# Altium PCB MB1936.PcbDoc (part 9 of 13)
Units mm, origin at the board's own origin, x right, y up, seen from the top; angles counter-clockwise.
Board outline 172 x 137 mm, 6 copper layers (Top Layer, Signal Layer 1, Signal Layer 2, Signal Layer 3, Signal Layer 4, Bottom Layer), stack 1.549 mm thick; 859 components, 672 nets, 3477 pads, 2222 vias.
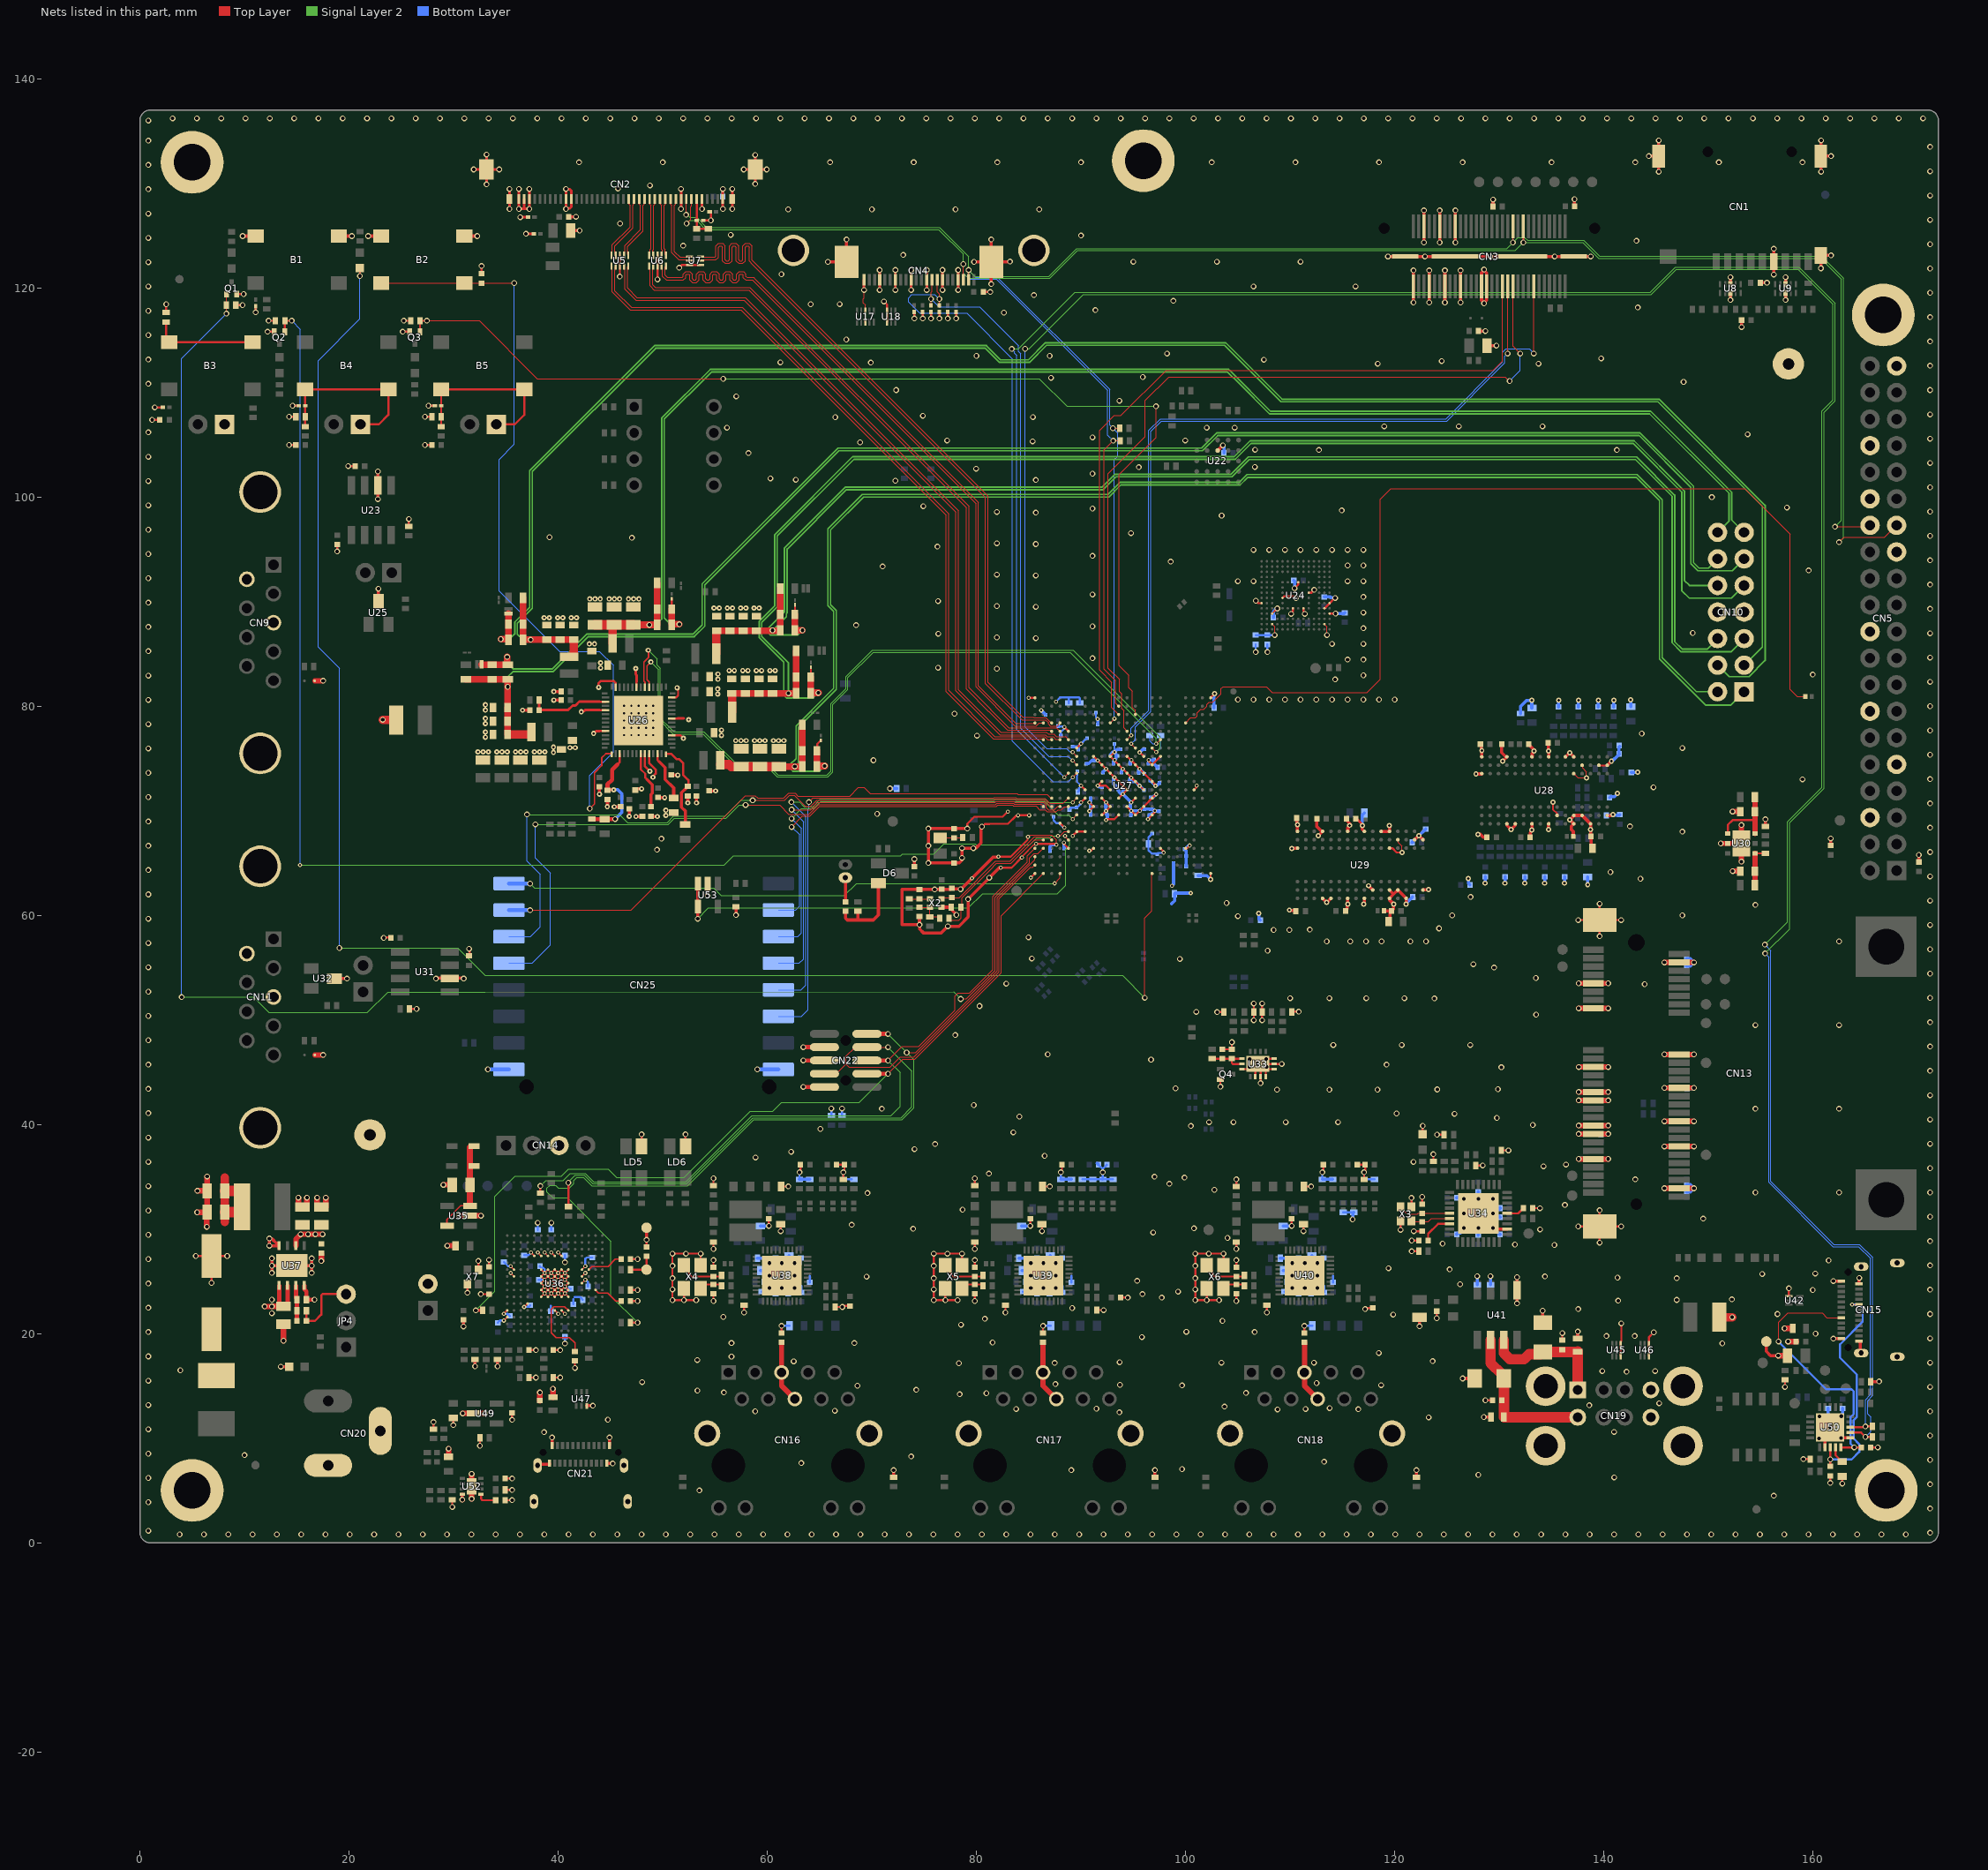
[diagram p13: the nets of this part, all layers, seen from the top]

## Via types
v1: diameter 0.55, hole 0.35, Top Layer to Bottom Layer, 1661 vias
v2: diameter 0.4, hole 0.2, Top Layer to Bottom Layer, tented both sides, 253 vias
v3: diameter 0.5, hole 0.2, Top Layer to Bottom Layer, 157 vias
v4: diameter 0.5, hole 0.25, Top Layer to Bottom Layer, 145 vias
v5: diameter 0.4, hole 0.2, Top Layer to Bottom Layer, 6 vias

## Nets (pads, with @x,y where several pads share a name; then routed paths per layer and width w, separated by ;. In a path a pad name is that pad's centre, name@x,y a point inside that pad or via, vN(x,y) a via of type N, cw(c..) or ccw(c..) an arc to the next point about the centre after c; other vN are vias at no path point) (continued)
GND: (continued)
  other v1: 3.8,0.8 6.125,0.8 8.45,0.8 10.775,0.8 13.1,0.8 15.425,0.8 17.75,0.8 20.075,0.8 22.4,0.8 24.725,0.8 27.05,0.8 29.375,0.8 31.7,0.8 34.025,0.8 36.35,0.8 38.675,0.8 41,0.8 43.325,0.8 45.65,0.8 47.975,0.8 50.3,0.8 52.625,0.8 54.95,0.8 57.275,0.8 59.6,0.8 61.925,0.8 64.25,0.8 66.575,0.8 68.9,0.8 71.225,0.8 73.55,0.8 75.875,0.8 78.2,0.8 80.525,0.8 82.85,0.8 85.175,0.8 87.5,0.8 89.825,0.8 92.15,0.8 94.475,0.8 96.8,0.8 99.125,0.8 101.45,0.8 103.775,0.8 106.1,0.8 108.425,0.8 110.75,0.8 113.075,0.8 115.4,0.8 117.725,0.8 120.05,0.8 122.375,0.8 124.7,0.8 127.025,0.8 129.35,0.8 131.675,0.8 134,0.8 136.325,0.8 138.65,0.8 140.975,0.8 143.3,0.8 145.625,0.8 147.95,0.8 150.275,0.8 152.6,0.8 154.925,0.8 157.25,0.8 159.575,0.8 161.9,0.8 164.225,0.8 166.55,0.8 168.875,0.8 171.2,0.95 0.8,1.15 171.2,3.275 0.8,3.875 156.25,4.5 53.5,5 171.2,5.6 0.8,6.2 141,6.25 128,6.5 89.075,6.95 99.66,7.05 63.25,7.625 113.25,7.75 171.2,7.925 73.75,8.25 10,8.375 0.8,8.525 160.587,9.988 171.2,10.25 38.65,10.58 140.975,10.6 0.8,10.85 44.75,11.775 123.25,12 160.612,12.087 93.675,12.475 58.85,12.575 171.2,12.575 66.45,12.625 108.8,12.75 116.525,12.775 83.8,12.8 111.475,12.8 91.475,12.825 113.775,12.875 103.725,13.025 138.6,13.15 0.8,13.175 145.3,13.35 78.4,14.2 80.95,14.3 105.775,14.325 55.85,14.375 53.325,14.55 74.25,14.625 171.2,14.9 68.625,15.025 99.66,15.05 118.7,15.075 93.725,15.1 87.55,15.175 112.525,15.275 48.03,15.376 0.8,15.5 142.175,16.35 139.85,16.425 144.9,16.425 3.875,16.5 78.325,17.175 87.475,17.2 103.425,17.225 112.275,17.225 171.2,17.225 93.7,17.275 62.525,17.35 123.625,17.375 53.3,17.475 56.575,17.8 0.8,17.825 118.475,18.15 151.325,19.075 56.575,19.1 68.325,19.1 81.55,19.15 171.2,19.55 95.825,19.675 140.25,19.775 142.95,19.775 160.25,20 0.8,20.15 106.6,20.15 100.075,20.175 78.525,20.85 103.525,21.225 80.8,21.425 55.8,21.6 119.85,21.825 156.6,21.875 171.2,21.875 137.55,22.35 89.15,22.45 0.8,22.475 141.375,23.15 146.975,23.225 152.25,23.275 97.725,23.45 95.875,23.775 99.275,24.025 159.975,24.175 171.2,24.2 61.4,24.35 62.6,24.35 86.4,24.35 87.6,24.35 111.4,24.35 112.6,24.35 126.25,24.725 0.8,24.8 95.375,25.05 146.975,25.3 141.3,25.35 69.5,25.45 134.375,25.475 60.2,25.55 61.4,25.55 62.6,25.55 85.2,25.55 86.4,25.55 87.6,25.55 110.2,25.55 111.4,25.55 112.6,25.55 155.15,25.7 160.225,25.75 125.25,26.15 119.4,26.25 171.2,26.525 60.2,26.75 61.4,26.75 62.6,26.75 85.2,26.75 86.4,26.75 87.6,26.75 110.2,26.75 111.4,26.75 112.6,26.75 161.5,27 0.8,27.125 135.275,28.475 131.5,28.525 124.575,28.6 171.2,28.85 104,29.15 0.8,29.45 96.9,29.675 133.9,29.975 73.95,30.025 100.8,30.075 68.075,30.4 149.5,31 171.2,31.175 126.6,31.5 128,31.5 0.8,31.775 78.675,31.85 136.275,32.3 129.4,32.9 69.575,33.45 154.5,33.5 162.5,33.5 171.2,33.5 102.75,33.75 0.8,34.1 98.45,34.325 143,34.75 99.9,34.925 97.025,35 81.2,35.3 171.2,35.825 134.225,36 136.375,36.175 0.8,36.425 121.8,36.425 58.875,36.85 86.525,37 62.275,37.4 74.075,37.65 76.05,38.125 171.2,38.15 0.8,38.75 83.525,39.25 65.075,39.575 100.5,39.85 133.2,39.95 102.25,40.225 104.575,40.225 109.575,40.225 114.575,40.225 171.2,40.475 129.775,40.625 84.1,40.75 125.725,41.025 120.175,41.05 0.8,41.075 70.95,41.5 154.5,41.5 162.5,41.5 79.75,41.85 171.2,42.8 108.75,43.325 113.75,43.325 118.35,43.325 124.075,43.35 129.875,43.375 0.8,43.4 99.044,43.453 171.2,45.125 59.04,45.265 130.2,45.475 106.125,45.49 107.75,45.49 0.8,45.725 119.225,45.725 106.925,45.815 96.7,46.2 106.125,46.24 107.725,46.265 86.825,46.7 171.2,47.45 114.125,47.6 120.675,47.6 127.225,47.6 0.8,48.05 77.975,48.55 154.5,49.5 162.5,49.5 171.2,49.775 0.8,50.375 133.525,50.5 101.03,50.765 80.3,51.325 123.8,52.05 110,52.075 113.75,52.075 117.275,52.075 120.925,52.075 171.2,52.1 0.8,52.7 143.909,53.412 82.85,53.475 28.315,53.95 30.965,53.95 133.5,54 171.2,54.425 129.5,55 0.8,55.025 127.525,55.325 99.45,55.825 85.3,55.875 107.85,56.625 171.2,56.75 31.475,56.795 0.8,57.35 113.5,57.5 115.75,57.5 117.25,57.5 118.75,57.5 121.5,57.5 123,57.5 162.5,57.5 23.315,57.845 84.975,57.9 108.427,58.602 109.927,58.602 111.875,58.625 124.25,58.75 171.2,59.075 0.8,59.675 105,59.925 125.5,60 147.5,60 154.5,61 103.925,61.175 171.2,61.4 127.25,61.75 0.8,62 143.5,63.5 171.2,63.725 140.625,64.125 0.8,64.325 171.2,66.05 49.45,66.275 0.8,66.65 49.875,67.325 147.5,68 171.2,68.375 142.5,68.5 0.8,68.975 70.5,69.7 171.2,70.7 0.8,71.3 144.75,72.25 159,73 171.2,73.025 0.8,73.625 70.15,74.825 171.2,75.35 0.8,75.95 147.5,76 80.05,77.175 143.625,77.375 171.2,77.675 0.8,78.275 77.9,79.275 171.2,80 0.8,80.6 105,80.625 106.5,80.625 108,80.625 109.5,80.625 111,80.625 112.5,80.625 114,80.625 115.5,80.625 117,80.625 118.5,80.625 120,80.625 171.2,82.325 114.3,82.55 0.8,82.925 117,82.95 159.975,83.025 81.95,83.575 76.325,83.675 115.5,84.45 117,84.45 91.1,84.575 171.2,84.65 0.8,85.25 114,85.95 117,85.95 85.675,86.5 81.95,86.575 76.35,86.925 171.2,86.975 148.5,87 117,87.45 0.8,87.575 91.1,87.625 68.5,87.75 117,88.95 171.2,89.3 85.675,89.5 81.95,89.575 0.8,89.9 76.325,90.05 117,90.45 91.1,90.675 171.2,91.625 105,91.95 106.5,91.95 115.5,91.95 117,91.95 0.8,92.225 85.675,92.5 81.95,92.575 159.587,92.982 71.025,93.35 115.5,93.45 117,93.45 98.575,93.825 171.2,93.95 91.1,94.375 0.8,94.55 106.5,94.95 108,94.95 109.5,94.95 111,94.95 112.5,94.95 114,94.95 115.5,94.95 117,94.95 76.275,95.25 85.675,95.5 81.95,95.575 47.05,96.1 39.175,96.15 171.2,96.275 94.775,96.55 0.8,96.875 103.45,98.225 85.675,98.5 81.95,98.575 171.2,98.6 114.936,98.709 91.1,98.9 157.5,99 74.925,99.125 0.8,99.2 150.325,99.975 171.2,100.925 0.8,101.525 72.25,101.55 85.675,101.625 62.725,101.65 60.3,101.775 91.1,102.225 79.975,102.7 95.525,102.85 106.625,102.875 171.2,103.25 0.8,103.85 58.2,104.2 112.75,104.5 141.25,104.5 106.65,104.525 68.875,105.225 85.375,105.325 77.2,105.4 99.975,105.4 171.2,105.575 91.1,105.7 153.75,106 0.8,106.175 56.15,106.625 102.025,106.625 104.7,106.625 119,106.75 126.125,106.75 134.125,106.75 66.5,107.625 85.4,107.65 74.875,107.775 171.2,107.9 93.675,109.2 57.025,109.625 72.325,110.225 171.2,110.225 0.8,110.825 147.625,111 87.125,111.4 95.9,111.475 171.2,112.55 118.375,112.75 133.75,112.75 69.9,112.85 61.25,112.875 124.5,113 107.5,113.125 0.8,113.15 139.75,113.25 80,113.5 87,113.5 98.225,113.725 171.2,114.875 67.55,115.05 0.8,115.475 171.2,117.2 82.625,117.625 0.8,117.8 91.375,117.875 143.25,118.125 64.15,118.425 66.925,118.45 98.825,118.75 85.501,119.298 171.2,119.525 0.8,120.125 106.5,120.125 116.25,120.125 81.425,120.355 61.35,121.3 171.2,121.85 0.8,122.45 83.2,122.505 95,122.5 103,122.5 111,122.5 73,123.15 51.95,124.025 171.2,124.175 143.125,124.5 81.415,124.625 0.8,124.775 90,125 56.5,125.075 45.925,126.15 171.2,126.5 0.8,127.1 62,127.5 70,127.5 78,127.5 86,127.5 171.2,128.825 0.8,129.425 45.725,129.5 48.775,129.8 171.2,131.15 0.8,131.75 42,132 50,132 66,132 74,132 82,132 90,132 102.5,132 110.5,132 118.5,132 126.5,132 135,132 143,132 151,132 159,132 171.2,133.475 0.8,134.075 0.8,136 3.125,136.2 5.45,136.2 7.775,136.2 10.1,136.2 12.425,136.2 14.75,136.2 17.075,136.2 19.4,136.2 21.725,136.2 24.05,136.2 26.375,136.2 28.7,136.2 31.025,136.2 33.35,136.2 35.675,136.2 38,136.2 40.325,136.2 42.65,136.2 44.975,136.2 47.3,136.2 49.625,136.2 51.95,136.2 54.275,136.2 56.6,136.2 58.925,136.2 61.25,136.2 63.575,136.2 65.9,136.2 68.225,136.2 70.55,136.2 72.875,136.2 75.2,136.2 77.525,136.2 79.85,136.2 82.175,136.2 84.5,136.2 86.825,136.2 89.15,136.2 91.475,136.2 93.8,136.2 96.125,136.2 98.45,136.2 100.775,136.2 103.1,136.2 105.425,136.2 107.75,136.2 110.075,136.2 112.4,136.2 114.725,136.2 117.05,136.2 119.375,136.2 121.7,136.2 124.025,136.2 126.35,136.2 128.675,136.2 131,136.2 133.325,136.2 135.65,136.2 137.975,136.2 140.3,136.2 142.625,136.2 144.95,136.2 147.275,136.2 149.6,136.2 151.925,136.2 154.25,136.2 156.575,136.2 158.9,136.2 161.225,136.2 163.55,136.2 165.875,136.2 168.2,136.2 170.525,136.2
  other v2: 95.6,75.575
  other v3: 46.8,69.467 50.3,69.552 50.3,70.052 44.7,70.382 43.95,71.587 39.55,75.577 32.324,75.625 32.825,75.625 33.326,75.625 34.124,75.625 34.625,75.625 35.126,75.625 35.924,75.625 36.425,75.625 36.926,75.625 37.724,75.625 38.225,75.625 38.726,75.625 41.124,76.029 41.625,76.029 39.55,76.077 56.979,76.702 57.48,76.702 57.981,76.702 58.779,76.702 59.28,76.702 59.781,76.702 60.579,76.702 61.08,76.702 61.581,76.702 33.05,77.027 55.62,77.202 46.3,77.227 47,77.227 47.7,77.227 48.4,77.227 49.1,77.227 33.05,77.527 55.62,77.702 46.3,77.927 47,77.927 47.7,77.927 48.4,77.927 49.1,77.927 33.05,78.327 46.3,78.627 47,78.627 47.7,78.627 48.4,78.627 49.1,78.627 52.48,78.702 33.05,78.827 46.3,79.327 47,79.327 47.7,79.327 48.4,79.327 49.1,79.327 33.05,79.627 46.3,80.027 47,80.027 47.7,80.027 48.4,80.027 49.1,80.027 33.05,80.127 55.25,81.152 55.25,81.652 55.275,82.577 55.275,83.077 56.35,83.402 56.85,83.402 57.65,83.402 58.15,83.402 58.95,83.402 59.45,83.402 60.25,83.402 60.75,83.402 44.05,83.65 44.05,84.15 42.975,85.95 43.476,85.95 38.65,88.45 39.151,88.45 39.95,88.45 40.451,88.45 41.25,88.45 41.751,88.45 54.9,89.377 55.4,89.377 56.175,89.377 56.675,89.377 57.45,89.377 57.95,89.377 58.725,89.377 59.225,89.377 43.024,90.252 43.525,90.252 44.026,90.252 44.874,90.252 45.375,90.252 45.876,90.252 46.724,90.252 47.225,90.252 47.726,90.252
  other v4: 123.25,62.475 110.15,66.4 138.325,73.15 127.775,73.525 133.325,75.725 128.325,75.75 102.775,81.2
GPIO.SDMMC3_CK: R94.1 U27.D19 | length 96.6
  Top Layer w0.1: U27.D19@100,78.4 100.49,78.89 100.928,78.89 101.11,79.072 101.11,79.375 101.425,79.69 101.728,79.69 102.038,80 102.038,80.157 102.25,80.369 102.591,80.369 103.4,81.178 103.4,81.675 103.578,81.853 107.747,81.853 108.3,81.3 117.369,81.3 118.625,82.556 118.625,99.8 119.625,100.8 153.488,100.8 157.825,96.463 157.825,81.6 158.5,80.925 R94.1@159.275,80.925
HDMI_CEC: CN3.47 U27.F12 | length 77.6
  Top Layer w0.1: U27.F12@94.4,76.8 v2@94.8,77.2 ; v1(133.3,113.725) CN3.47@133.3,120.13
  Bottom Layer w0.1: v2(94.8,77.2) 94.8,77.881 96.486,79.567 96.486,106.343 97.612,107.47 124.887,107.47 130.315,112.898 130.315,113.841 130.624,114.15 132.875,114.15 v1(133.3,113.725)
HDMI_I2S2.CK: CN3.35 U27.C11 | length 76.3
  Top Layer w0.09: 91.77,84.475 91.77,83.435 92.925,82.279 92.925,79.875 U27.C11@93.6,79.2
  Top Layer w0.1: 91.77,84.475 91.77,106.37 93.19,107.79 93.82,107.79 98.145,112.115 129.438,112.115 130.3,112.977 CN3.35@130.3,120.13
HDMI_I2S2.WS: CN3.37 U27.G13 | length 75.2
  Top Layer w0.1: v2(94.8,76.4) U27.G13@95.2,76 ; v1(130.8,113.725) CN3.37@130.8,120.13
  Bottom Layer w0.1: v2(94.8,76.4) 95.2,76.8 95.2,78.012 96.686,79.498 96.686,106.261 97.695,107.27 124.97,107.27 129.975,112.275 130.515,112.815 130.515,113.44 v1(130.8,113.725)
HDMI_I2S2_SDO: CN3.39 U27.E12 | length 79.6
  Top Layer w0.09: 92.605,84.475 92.6,84.47 92.6,83.643 93.665,82.578 93.665,81.388 93.885,81.168 93.885,79.765 94.09,79.56 94.09,77.91 U27.E12@94.4,77.6
  Top Layer w0.1: 92.605,84.475 92.605,102.247 96.13,105.772 96.13,109.216 98.404,111.49 130.567,111.49 130.972,111.085 v1(131,111.085) ; CN3.39@131.3,120.13 131.3,114.429 v1(132.004,113.725)
  Bottom Layer w0.1: v1(131,111.085) 132.004,112.089 v1(132.004,113.725)
HSE_IN: C90.2 U27.V3 X2.3 | length 13.1
  Top Layer w0.1: X2.3@76.648,61.576 76.772,61.7 C90.2@77.65,61.7 78.35,61.7 81.825,65.175 83.225,65.175 85.56,67.51 86.89,67.51 U27.V3@87.2,67.2
HSE_OUT: R72.1 R75.2 U27.V2 | length 13.4
  Top Layer w0.1: R75.2@77.375,59.725 77.575,59.525 78.325,59.525 78.55,59.75 78.55,60.725 R72.1@78.5,60.775 78.615,60.889 78.615,61.664 81.3,64.35 81.925,64.975 83.275,64.975 83.285,64.985 83.304,64.985 85.519,67.2 U27.V2@86.4,67.2
I2C1.SCL: R224.1 U27.K5 U50.18 | length 245.2
  Top Layer w0.1: v2(88.4,73.2) U27.K5@88.8,73.6
  Top Layer w0.2: U50.18@163.575,11.05 164.945,11.05 v1(165.02,11.125) R224.1@165.695,11.125
  Signal Layer 2 w0.1: v1(83.375,114.15) 84.024,114.15 89.424,119.55 144.425,119.55 146.85,121.975 158.675,121.975 162.125,118.525 162.125,109.175 161.05,108.1 161.05,72.13 157.775,68.855 157.775,58.7 v1(155.425,56.35)
  Bottom Layer w0.1: v1(83.375,114.15) 83.375,114.132 83.625,113.882 83.625,113.75 83.85,113.525 83.85,84.475 83.85,77.749 v2(88.4,73.2) ; v1(155.425,56.35) 155.775,56 155.775,34.475 161.925,28.325 164.375,28.325 165.5,27.2 165.5,14.167 165.02,13.687 v1(165.02,11.125)
I2C1.SDA: R228.1 U27.H6 U50.17 | length 243.6
  Top Layer w0.1: v2(89.2,75.6) U27.H6@89.6,75.2
  Top Layer w0.2: U50.17@163.575,10.55 164.595,10.55 v1(165.02,10.125) R228.1@165.695,10.125
  Signal Layer 2 w0.1: v1(84.65,114.175) 85.05,114.175 90.225,119.35 144.508,119.35 146.933,121.775 158.592,121.775 161.925,118.442 161.925,109.275 160.85,108.2 160.85,72.213 157.575,68.938 157.575,59.375 v1(155.4,57.2)
  Bottom Layer w0.1: v1@84.65,114.175 84.65,78.024 86.724,75.95 88.617,75.95 88.936,75.631 89.169,75.631 v2(89.2,75.6) ; v1(155.4,57.2) 155.975,56.625 155.975,34.558 162.008,28.525 164.458,28.525 165.7,27.283 165.7,14.076 165.22,13.596 165.22,12.338 165.545,12.013 165.545,10.65 v1(165.02,10.125)
I2C2.SCL: CN2.7 CN3.44 CN4.20 CN5.28 R32.1 U27.B11 | length 201
  Top Layer w0.09: 92.19,84.475 92.19,83.524 93.29,82.424 93.29,80.31 U27.B11@93.6,80
  Top Layer w0.1: v1(52.274,126.153) 52.667,126.546 52.667,127.768 52.75,127.851 CN2.7@52.75,128.5 ; v1(78.746,122.268) 78.746,120.754 CN4.20@78.75,120.75 ; 92.19,84.475 92.19,104.49 v1(93.075,105.375) ; v1@93.145,105.375 R32.1@93.73,105.375 ; v1(162.1,97.15) 162.114,97.164 165.329,97.164 CN5.28@165.455,97.29
  Top Layer w0.15: v1(132.3,124.34) CN3.44@132.3,125.87
  Signal Layer 2 w0.1: v1(52.274,126.153) 52.28,126.153 52.577,126.45 53.25,126.45 54.125,125.575 76.392,125.575 78.746,123.221 v1(78.746,122.268) 78.746,121.4 79.246,120.9 87,120.9 89.665,123.565 131.525,123.565 v1(132.3,124.34) 138.005,124.34 139.52,122.825 160.725,122.825 162.7,120.85 162.7,97.75 v1(162.1,97.15)
  Bottom Layer w0.1: v1(78.746,122.268) 78.746,121.4 79.321,120.825 81.917,120.825 92.545,110.197 92.545,105.905 v1(93.075,105.375)
I2C2.SDA: CN2.8 CN3.40 CN4.21 CN5.27 R31.1 U27.D10 | length 204
  Top Layer w0.1: v1(52.242,126.977) 52.246,126.982 52.246,128.496 CN2.8@52.25,128.5 ; CN4.21@79.25,120.75 v1(79.25,121.7) ; U27.D10@92.8,78.4 v2@93.2,78.8 ; v1(93.05,106.575) R31.1@93.705,106.575 ; v1(131.3,124.34) CN3.40@131.3,125.87 ; v1(162.5,95.675) 162.966,96.141 166.846,96.141 CN5.27@167.995,97.29
  Signal Layer 2 w0.1: v1(52.242,126.977) 52.338,126.977 52.59,126.725 53.258,126.725 54.208,125.775 76.475,125.775 79.25,123 v1(79.25,121.7) 79.85,121.1 86.917,121.1 89.582,123.765 130.725,123.765 v1(131.3,124.34) 131.766,124.806 132.435,124.806 132.701,124.54 138.088,124.54 139.603,123.025 160.808,123.025 162.9,120.933 162.9,96.075 v1(162.5,95.675)
  Bottom Layer w0.1: v1(79.25,121.7) 79.925,121.025 82,121.025 92.75,110.275 92.75,106.875 v1(93.05,106.575) 93.5,106.125 93.5,103.89 93.19,103.58 93.19,78.81 v2(93.2,78.8)
I2C7.SCL: R261.1 U26.33 U27.F16 | length 73.5
  Top Layer w0.09: v2@97.2,76.4 U27.F16@97.6,76.8
  Top Layer w0.15: U26.33@48.7,81.797 48.7,82.327 48.503,82.525 48.503,83.858 v3(48.865,84.22)
  Signal Layer 2 w0.1: v3(48.865,84.22) 49.575,83.511 49.575,81.55 49.575,78.75 50.975,77.35 53.875,77.35 56.75,74.475 59.7,74.475 60.95,73.225 62.125,73.225 65.775,73.225 66.275,73.725 66.275,80.175 67.712,81.612 67.712,82.738 70.127,85.152 88.973,85.152 97.2,76.925 v2(97.2,76.4)
  Bottom Layer w0.09: R261.1@96.575,77.175 96.575,76.655 96.83,76.4 v2(97.2,76.4)
I2C7.SDA: R260.1 U26.34 U27.G15 | length 77.8
  Top Layer w0.09: U27.G15@96.8,76 v2(97.2,75.6)
  Top Layer w0.15: U26.34@48.3,81.797 48.3,82.302 48.2,82.402 48.2,84.227 48.65,84.677 v3@48.65,85.302 ; v3@48.5,85.452 v3@48.65,85.302 ; v3(48.619,85.352) 48.65,85.321 v3@48.65,85.302
  Signal Layer 2 w0.1: v3(48.619,85.352) 49.45,84.521 49.45,83.918 49.716,83.652 49.775,83.593 49.775,81.633 49.775,78.833 50.654,77.954 51.058,77.55 53.958,77.55 54.491,77.016 56.833,74.675 59.783,74.675 61.033,73.425 62.208,73.425 65.692,73.425 66.075,73.808 66.075,80.258 67.512,81.695 67.512,82.82 67.571,82.879 70.044,85.352 70.475,85.352 89.248,85.352 97.575,77.025 97.575,75.975 v2(97.2,75.6)
  Bottom Layer w0.09: v2(97.2,75.6) 97.6,76 R260.1@97.6,77.175
I_SENS_1V8_N: C19.1 CN10.14 LNK3.1 R41.2 | length 136.6
  Top Layer w0.2: C19.1@50.855,89.277 LNK3.1@50.855,90.275
  Top Layer w0.64: R41.2@50.855,87.827 C19.1@50.855,89.277 ; R41.2@50.857,87.829 v1(51.585,87.829)
  Signal Layer 2 w0.15: v1(51.585,87.829) 50.746,87.829 50.15,88.425 50.15,107.45 54.65,111.95 104.025,111.95 105.1,110.875 108.025,107.95 144.375,107.95 151.975,100.35 151.975,97.715 CN10.14@150.88,96.62
I_SENS_1V8_P: C16.2 C17.2 C18.2 C19.2 CN10.13 L1.2 R35.1 R41.1 | length 145.9
  Top Layer w0.64: C18.2@47.2,87.777 R41.1@49.455,87.777 C19.2@49.455,89.277 R35.1@49.455,91.777
  Top Layer w0.8: L1.2@45.195,86.002 45.195,87.727 45.245,87.777 C17.2@45.35,87.777
  Top Layer w0.9: C16.2@43.5,87.777 C17.2@45.35,87.777 C18.2@47.2,87.777
  Signal Layer 2 w0.15: v1(48.725,87.775) 49.348,87.775 49.9,88.327 49.9,107.554 54.546,112.2 104.129,112.2 104.277,112.052 108.129,108.2 144.479,108.2 152.225,100.454 152.225,97.815 CN10.13@153.42,96.62
I_SENS_VDD_DDR_N: C31.1 CN10.12 LNK9.1 R48.2 | length 141.4
  Top Layer w0.64: LNK9.1@32.677,83.977 C31.1@33.675,83.977 R48.2@35.125,83.977 ; R48.2@35.123,83.979 v1(35.123,84.707)
  Signal Layer 2 w0.15: v1(35.123,84.707) 35.123,84.127 35.7,83.55 39.421,83.55 42.771,86.9 52.921,86.9 53.775,87.754 53.775,91.7 66.75,104.675 101.521,104.675 102.971,106.125 143.479,106.125 148.575,101.029 148.575,93.729 149.099,93.205 150.005,93.205 CN10.12@150.88,94.08
I_SENS_VDD_DDR_P: C31.2 C41.2 C44.2 C47.2 CN10.11 L5.2 R47.1 R48.1 | length 151.8
  Top Layer w0.64: R47.1@31.175,82.577 C31.2@33.675,82.577 R48.1@35.175,82.577 35.175,81.847 C41.2@35.175,80.322 ; C47.2@35.175,77.277 C44.2@35.175,78.577 C41.2@35.175,79.877
  Top Layer w0.8: C47.2@35.4,77.277 L5.2@37.175,77.277
  Signal Layer 2 w0.15: v1(35.177,81.847) 35.177,82.802 35.675,83.3 39.525,83.3 42.875,86.65 53.025,86.65 54.025,87.65 54.025,91.596 66.854,104.425 101.625,104.425 103.075,105.875 143.375,105.875 148.325,100.925 148.325,93.625 148.995,92.955 152.295,92.955 CN10.11@153.42,94.08
I_SENS_VDDCORE_N: C20.1 CN10.6 LNK5.2 R42.2 | length 124.5
  Top Layer w0.2: C20.1@62.63,88.752 62.65,88.772 LNK5.2@62.65,89.7
  Top Layer w0.64: R42.2@62.63,87.252 C20.1@62.63,88.752 ; R42.2@62.632,87.254 v1@63.325,87.254
  Signal Layer 2 w0.15: v1(63.36,87.254) 62.906,86.8 60.314,86.8 60.05,87.064 60.05,87.436 61.65,89.036 61.65,95.129 67.471,100.95 92.025,100.95 93.25,102.175 104.346,102.175 105.996,103.825 143.129,103.825 146.775,100.179 146.775,86.179 147.504,85.45 149.87,85.45 CN10.6@150.88,86.46
I_SENS_VDDCORE_P: C20.2 C21.2 C22.2 C23.2 C24.2 CN10.5 L2.2 R36.1 R42.1 | length 131.9
  Top Layer w0.2: C24.2@58.975,87.202 C24.2@59.023,87.25 ; R42.1@61.228,87.25 R42.1@61.23,87.252
  Top Layer w0.64: C21.2@55.15,87.202 C22.2@56.425,87.202 C23.2@57.7,87.202 C24.2@58.975,87.202 60.5,87.202 61.23,87.202 R42.1@61.23,87.252 C20.2@61.23,88.752 R36.1@61.23,91.252
  Top Layer w0.8: L2.2@55.115,85.027 C21.2@55.115,87
  Signal Layer 2 w0.15: v1(60.5,87.25) 61.825,88.575 61.825,88.858 61.9,88.933 61.9,95.025 67.575,100.7 92.129,100.7 93.354,101.925 104.45,101.925 106.1,103.575 143.025,103.575 146.525,100.075 146.525,86.075 147.4,85.2 152.16,85.2 CN10.5@153.42,86.46
I_SENS_VDDCPU_N: C25.1 CN10.4 LNK6.2 R43.2 | length 172.2
  Top Layer w0.64: v1(34.515,86.404) R43.2@35.243,86.404 ; R43.2@35.245,86.402 C25.1@35.245,87.852 LNK6.2@35.245,88.85